# Allegro board WARP7_CPU_REV10_20151109_1600.brd
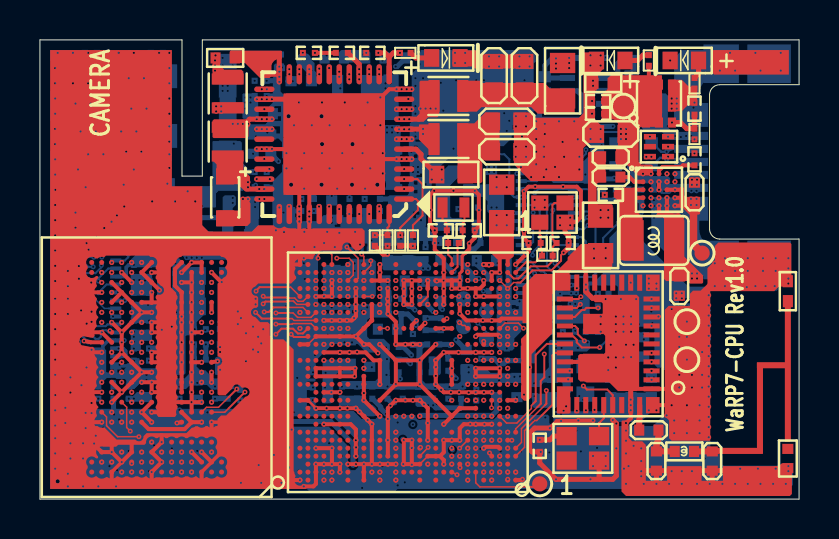
[diagram p0: board, top side]
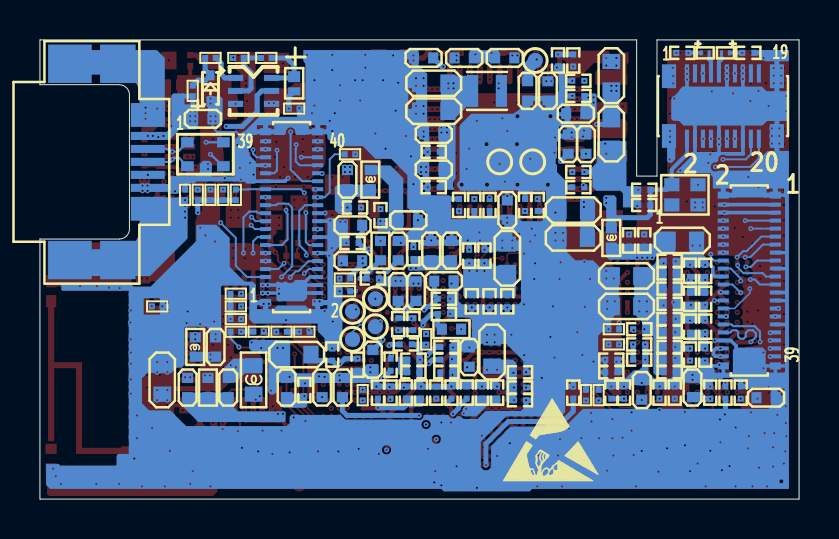
[diagram p1: board, bottom side, seen from below]

Outline 38 x 23 mm; copper layers: TOP, ART02, GND03, ART04, GND05, POWER06, POWER07, GND08, ART09, BOTTOM. Coordinates in mm from the lower left corner of the outline.
Outline path: 0,23 0,0 38,0 38,13.03 34.03,13.03 arc(33.67,13.17) 33.52,13.53 33.52,20.25 arc(33.67,20.61) 34.03,20.76 38,20.76 38,23 8.13,23 8.13,16.18 7.11,16.18 7.11,23 0,23

## Design rules (mm)
net group /MISC: nets BC3770_INT_B BC3770_SHDN_B BOOT_MODE0 BOOT_MODE1 CHARGE_EN_B CSI_PWDN_B LCD_BK_CTL LICELL MX7_ONOFF N16808656 N16981434 N16981445 N17546897 NOBAT NTAG_FD_INT OVRPRTC PMIC_INT_B PMIC_ON_REQ PMIC_PWRON PMIC_SD_VSEL PMIC_STBY_REQ PMIC_VCOREREF POR_B PWR_LED PWR_OV_BASE PWR_OV_CTL RTC_XTALI RTC_XTALO SENSOR_INT_B SWBSTLX TOUCH_INT_B UART1_RXD UART1_TXD UART2_RXD UART2_TXD USB_OTG1_ID USER_PB1 VCOREDIG VHALF VSNVS XTALI XTALO
net group /NET: nets N16715546 N16717276 N16729332 N16730613 N16732259 N16799029 N16801468 N16807462 N16808190 N16808674 N16918268 N16918272 N16918287 N16918299 N16978244 N17032843 N17048427 N17054578 N17054581 N17197487 N17208031 N18265392 N18703906 N175447380 N175447470 N175447560 N183832490
net group /PWR: nets DDR_VREF GND GND_SR_PVSS N17049476 NVCC_3V15 NVCC_DRAM NVCC_SD2 PGND PMIC_5V0 PMIC_PWR PMIC_VCORE PSU_5V0 PVCC_ENET_CAP PVCC_I2C_SPI_UART_CAP SW1A_1V15 SW1ALX SW1B_1V15 SW1BLX SW2_1V8 SW2LX SW3_1V2 SW3LX USB_OTG_VBUS VBAT VDD_1P2_CAP VDD_ARM_IN VDD_OTG1_1P0_CAP VDD_SNVS_1P8_CAP VDD_SOC_IN VDDA_1P0_CAP VDDA_PHY_1P8 VDDD_1P0_CAP VLDO1_1V8 VLDO2_1V2 VLDO3_1V8 VLDO4_1V8
net group AUDIO_DATA_BUS: nets AUDIO_SAI1_MCLK AUDIO_SAI1_RXD AUDIO_SAI1_TXC AUDIO_SAI1_TXD AUDIO_SAI1_TXFS
net group BT: nets BT_HOST_WAKE BT_REG_ON PCM_CLK PCM_IN PCM_OUT PCM_SYNC SD1_CLK SD1_CMD SD1_DATA0 SD1_DATA1 SD1_DATA2 SD1_DATA3 UART3_CTS_B UART3_RTS_B UART3_RXD UART3_TXD WL_HOST_WAKE WL_REG_ON
net group DIFF90_BUS: nets USB_OTG1_DN USB_OTG1_DP USB_OTG_N USB_OTG_P
net group I2C_BUS: nets I2C1_SCL I2C1_SDA I2C2_SCL I2C2_SDA I2C3_SCL I2C3_SDA I2C4_SCL I2C4_SDA
net group JTAG_BUS: nets JTAG_MOD JTAG_TCK JTAG_TDI JTAG_TDO JTAG_TMS JTAG_TRST_B
net group MKBUS: nets MKBUS_ESPI3_MISO MKBUS_ESPI3_MOSI MKBUS_ESPI3_SCLK MKBUS_ESPI3_SS0_B MKBUS_INT MKBUS_PWM2 MKBUS_RST MKBUS_UART5_RXD MKBUS_UART5_TXD
net group REF_BUS: nets N17502336 N17502347 N18359197

## Placement (name value [footprint] x y rotation side)
ANT1  SRCW004  [ANT2-0402]  37.44 10.41 90 top
C1  100nF  [C0201]  32.77 19.56 270 top
C2  4.7uF  [C0402]  29.84 19.05 180 bottom
C3  100nF  [C0201]  27.94 19.3 180 top
C4  1uF  [C0201]  27.94 19.94 180 top
C5  22uF  [C0603]  28.57 18.29 180 top
C7  2.2uF  [C0402]  28.57 17.14 180 top
C8  2.2uF  [C0402]  28.57 16.13 180 top
C9  1uF  [C0201]  32.77 17.02 90 top
C10  22nF  [C0201]  28.57 15.24 0 top
C11  10uF  [C0402]  32 10.67 270 top
C12  4.7uF  [C0402]  32.77 15.37 90 top
C13  1uF  [C0201]  16.64 22.35 180 top
C14  2.2uF  [C0402]  18.8 22.1 0 bottom
C15  1uF  [C0201]  15.11 22.35 180 top
C16  100nF  [C0201]  11.3 21.97 90 bottom
C17  4.7uF  [C0402]  16.76 22.1 180 bottom
C18  2.2uF  [C0402]  14.73 22.1 0 bottom
C19  4.7uF  [C0402]  12.57 20.45 270 bottom
C20  100nF  [C0201]  12.06 21.97 270 bottom
C21  1uF  [C0201]  11.05 20.95 0 bottom
C22  220nF  [C0201]  11.05 15.62 0 bottom
C23  470nF  [C0201]  11.05 16.38 180 bottom
C24  22uF  [C0603]  9.4 18.29 270 bottom
C25  22uF  [C0603]  9.4 21.21 90 bottom
C26  100nF  [C0201]  18.29 15.62 0 bottom
C27  4.7uF  [C0402]  18.29 18.29 0 bottom
C28  4.7uF  [C0402]  11.18 19.3 0 bottom
C29  100nF  [C0201]  11.05 20.19 0 bottom
C30  100nF  [C0201]  18.29 17.4 0 bottom
C31  4.7uF  [C0402]  18.29 16.51 0 bottom
C32  2.2uF  [C0402]  11.56 17.78 90 bottom
C33  4.7uF  [C0402]  10.67 17.78 90 bottom
C34  10uF  [C0402]  14.61 14.48 270 bottom
C35  100nF  [C0201]  13.46 22.35 0 top
C36  4.7uF  [C0402]  13.59 20.45 270 bottom
C37  22uF  [C0603]  11.3 13.08 0 bottom
C38  22uF  [C0603]  11.3 14.48 0 bottom
C39  22uF  [C0603]  23.37 18.92 0 top
C40  22uF  [C0603]  23.37 17.4 0 top
C41  22uF  [C0603]  24.26 21.21 90 top
C42  22uF  [C0603]  22.73 21.21 90 top
C43  1uF  [C0201]  13.08 14.73 270 bottom
C44  1uF  [C0201]  15.49 14.73 270 bottom
C45  220nF  [C0201]  16.26 14.73 270 bottom
C46  1uF  [C0201]  13.72 14.73 90 bottom
C47  22uF  [C0603]  18.29 20.83 0 bottom
C48  22uF  [C0603]  18.29 19.43 0 bottom
C49  100nF  [C0201]  17.02 14.73 90 bottom
C50  220nF  [C0201]  13.97 6.35 180 bottom
C51  220nF  [C0201]  13.97 5.59 180 bottom
C52  220nF  [C0201]  13.97 4.95 180 bottom
C53  22uF  [C0603]  15.37 7.37 90 bottom
C54  220nF  [C0201]  19.3 12.32 90 bottom
C55  220nF  [C0201]  16.64 5.33 90 bottom
C56  2.2uF  [C0402]  17.4 12.45 90 bottom
C57  2.2uF  [C0402]  18.41 12.45 90 bottom
C58  220nF  [C0201]  17.78 10.03 180 bottom
C59  220nF  [C0201]  17.4 5.33 90 bottom
C60  2.2uF  [C0402]  17.78 10.92 180 bottom
C61  220nF  [C0201]  23.37 7.24 90 bottom
C62  220nF  [C0201]  20.45 5.33 90 bottom
C63  220nF  [C0201]  17.65 6.35 180 bottom
C64  220nF  [C0201]  17.65 7.62 180 bottom
C65  22uF  [C0603]  25.15 7.24 0 bottom
C66  220nF  [C0201]  22.35 12.83 0 bottom
C67  2.2uF  [C0402]  22.35 13.72 0 bottom
C68  220nF  [C0201]  22.1 6.73 270 bottom
C69  220nF  [C0201]  18.16 5.33 90 bottom
C70  2.2uF  [C0402]  20.07 10.41 90 bottom
C71  220nF  [C0201]  22.23 14.61 180 bottom
C72  2.2uF  [C0402]  22.61 16 90 bottom
C73  220nF  [C0201]  11.3 5.33 90 bottom
C74  220nF  [C0201]  19.68 7.75 180 bottom
C75  220nF  [C0201]  17.78 9.27 180 bottom
C76  2.2uF  [C0402]  20.07 12.45 90 bottom
C77  220nF  [C0201]  21.34 11.05 180 bottom
C78  2.2uF  [C0402]  22.35 11.94 180 bottom
C79  220nF  [C0201]  20.07 8.76 90 bottom
C80  220nF  [C0201]  19.3 8.76 90 bottom
C81  2.2uF  [C0402]  19.18 10.41 90 bottom
C82  220nF  [C0201]  18.92 5.33 90 bottom
C83  20pF  [C0201]  20.07 13.46 180 top
C84  20pF  [C0201]  21.46 13.46 0 top
C85  220nF  [C0201]  19.68 5.33 90 bottom
C86  220nF  [C0201]  20.45 6.73 90 bottom
C87  10pF  [C0201]  24.77 12.83 180 top
C88  10pF  [C0201]  26.16 12.83 0 top
C89  220nF  [C0201]  19.3 6.35 180 bottom
C90  2.2uF  [C0402]  22.86 5.59 90 bottom
C91  220nF  [C0201]  15.88 5.33 90 bottom
C92  220nF  [C0201]  15.11 5.33 90 bottom
C93  2.2uF  [C0402]  23.88 5.59 90 bottom
C94  2.2uF  [C0402]  16.51 7.11 90 bottom
C95  220nF  [C0201]  19.3 6.99 180 bottom
C96  220nF  [C0201]  24.77 5.46 90 bottom
C97  2.2uF  [C0402]  25.65 5.59 90 bottom
C98  10uF  [C0603]  31.88 5.97 90 bottom
C99  220nF  [C0201]  21.08 5.33 90 bottom
C102  2.2uF  [C0402]  21.34 6.99 270 bottom
C103  220nF  [C0201]  20.95 14.22 90 bottom
C104  2.2uF  [C0402]  19.56 13.97 180 bottom
C105  2.2uF  [C0402]  1.65 5.08 180 bottom
C106  220nF  [C0201]  14.61 9.91 270 bottom
C107  220nF  [C0201]  9.4 6.99 0 bottom
C108  220nF  [C0201]  9.4 6.35 0 bottom
C109  100nF  [C0201]  17.65 6.99 180 bottom
C110  220nF  [C0201]  15.75 12.19 90 bottom
C111  220nF  [C0201]  15.49 9.91 270 bottom
C112  220nF  [C0201]  16.51 12.19 90 bottom
C113  220nF  [C0201]  16.38 9.91 270 bottom
C114  22uF  [C0603]  14.61 12.06 90 bottom
C115  220nF  [C0201]  9.4 5.33 90 bottom
C116  220nF  [C0201]  8.76 5.33 90 bottom
C117  220nF  [C0201]  8.51 12.95 90 bottom
C118  220nF  [C0201]  7.75 12.95 90 bottom
C119  22uF  [C0603]  5.84 12.95 180 bottom
C120  2.2uF  [C0402]  5.33 5.59 90 bottom
C121  220nF  [C0201]  4.45 5.33 90 bottom
C122  2.2uF  [C0402]  7.87 5.46 90 bottom
C123  220nF  [C0201]  2.92 5.33 90 bottom
C124  220nF  [C0201]  6.48 11.3 180 bottom
C125  220nF  [C0201]  6.48 11.94 180 bottom
C126  220nF  [C0201]  4.7 8.64 90 bottom
C127  220nF  [C0201]  6.48 9.78 180 bottom
C128  220nF  [C0201]  5.46 8.64 90 bottom
C129  220nF  [C0201]  8 8.51 0 bottom
C130  220nF  [C0201]  5.46 7.24 90 bottom
C131  220nF  [C0201]  6.22 5.33 90 bottom
C132  220nF  [C0201]  6.48 8.38 180 bottom
C133  220nF  [C0201]  3.68 5.33 270 bottom
C134  220nF  [C0201]  4.7 10.03 270 bottom
C135  22uF  [C0603]  8.64 11.18 0 bottom
C136  220nF  [C0201]  5.46 10.03 270 bottom
C137  220nF  [C0201]  6.48 9.02 180 bottom
C138  220nF  [C0201]  6.48 6.35 180 bottom
C139  220nF  [C0201]  4.7 11.43 90 bottom
C140  220nF  [C0201]  6.99 5.33 90 bottom
C141  220nF  [C0201]  6.48 10.54 180 bottom
C142  220nF  [C0201]  6.48 6.98 180 bottom
C143  220nF  [C0201]  8 7.75 180 bottom
C144  220nF  [C0201]  4.7 7.24 270 bottom
C145  22uF  [C0603]  8.64 9.65 0 bottom
C146  10nF  [C0201]  5.46 11.43 90 bottom
C147  220nF  [C0201]  6.48 7.62 180 bottom
C148  220nF  [C0201]  8 6.99 180 bottom
C149  2.2uF  [C0402]  29.21 7.62 90 bottom
C150  4.7uF  [C0402]  28.57 5.59 270 bottom
C151  4.7uF  [C0402]  30.61 5.59 270 bottom
C152  10pF  [C0402]  30.48 3.45 0 top
C153  10nF  [C0201]  25.02 2.67 270 top
C154  TBD  [C0402]  30.86 1.91 270 top
C155  TBD  [C0402]  33.66 1.91 270 top
C156  100nF  [C0201]  7.75 14.73 0 bottom
C157  100nF  [C0201]  7.75 15.49 0 bottom
C158  100nF  [C0201]  5.84 22.35 0 bottom
C159  100nF  [C0201]  2.54 22.35 180 bottom
D1  MM5Z5V1ST1G  [SOD523]  29.46 20.57 0 bottom
D2  NSR05F40NXT5G  [SOD0402]  25.27 20.83 90 bottom
D3  GRN  [LED0603]  28.57 21.97 180 top
D4  RED  [LED0603]  32.26 21.97 180 top
D5  TPD4S012DRYR  [DFN6_0PCQ]  30.99 17.65 180 top
D6  GRN  [LED0603]  20.32 22.1 0 top
D7  SD0805S020S1R0  [SOD0805]  9.27 15.11 270 top
D8  PMEG1201AESF  [SOD962]  4.7 22.35 0 bottom
D9  PMEG1201AESF  [SOD962]  3.68 22.35 180 bottom
J1  CONN_USB_OTG  [USBS5_6PF]  35.77 16.89 270 bottom
J2  CONN_B2B1  [FPC2X20_4P4]  2.49 10.95 270 bottom
J3  CONN_B2B2  [FPC2X20_4P4]  25.4 14.12 90 bottom
J6  CONN_CSI  [FPC2X10_4P4]  3.81 19.68 180 bottom
L1  WCM-2012-900T  [CKS4B14X20W]  29.72 17.27 180 bottom
L2  1uH  [L1008]  30.73 12.95 0 top
L3  1.5uH  [L20X16]  20.45 18.03 180 top
L4  1.5uH  [L20X16]  9.4 20.32 90 top
L5  1.5uH  [L20X16]  20.45 20.19 180 top
L6  2.2uH  [L20X16]  9.4 17.91 90 top
L7  1.5uH  [L20X16]  15.62 20.45 180 bottom
L8  120 OHM@100MHZ  [L0402]  21.46 16 270 bottom
L9  120 OHM@100MHZ  [L0402]  9.4 13.08 270 bottom
L10  2.2uH  [L0603]  27.3 5.97 270 bottom
L11  120 OHM@100MHZ  [L0402]  30.23 7.62 90 bottom
L12  TBD  [L0402]  32.26 2.39 0 top
NOREF  -  []  0 0 0 top
NOREF#2  -  []  32.49 -61 0 top
NOREF#3  -  []  50.98 -43.61 90 top
NOREF#4  -  []  48.98 -41.61 0 top
NOREF#5  -  []  0 0 90 top
NOREF#6  -  []  173.33 -175.17 0 top
NOREF#7  -  []  0 0 90 top
NOREF#8  -  []  0 0 0 top
Q1  FDMA530PZ  [DFN6_2FN]  30.99 19.81 0 top
Q2  HBDM60V600W-7  [SOT363_6]  27.3 20.45 270 bottom
R1  2K2  [R0201]  30.35 20.45 270 bottom
R2  1K  [R0201]  30.48 21.97 270 top
R3  100K  [R0201]  32.77 18.29 270 top
R4  10K  [R0201]  29.46 22.1 180 bottom
R5  4K7  [R0201]  25.27 19.56 0 bottom
R6  1K  [R0201]  32.77 20.83 90 top
R7  10K  [R0201]  26.67 22.1 0 bottom
R8  2K2  [R0201]  28.07 22.1 180 bottom
R9  0R  [R0805]  28.07 13.21 90 top
R10  1K  [R0201]  18.29 22.35 180 top
R11  2K2  [R0201]  29.46 15.24 270 bottom
R12  2K2  [R0201]  28.83 15.24 270 bottom
R13  200K  [R0201]  30.1 15.24 270 bottom
R14  0R  [R0201]  30.73 15.24 270 bottom
R15  0R  [R0402]  9.27 22.1 0 top
R16  0R  [R0603]  20.57 16.26 0 top
R17  100K  [R0201]  18.03 12.95 270 top
R18  100K  [R0201]  18.67 12.95 270 top
R19  100K  [R0201]  16.76 12.95 270 top
R20  0R  [R0201]  17.4 12.95 90 top
R21  0R  [R0805]  26.16 20.95 90 top
R22  0R  [R0805]  23.11 14.86 270 top
R23  0R  [R0402]  17.4 8.51 0 bottom
R24  0R  [R0402]  20.95 12.45 270 bottom
R26  1M  [R0201]  20.7 12.83 180 top
R27  4.75M  [R0201]  25.4 12.19 180 top
R28  2K2  [R0201]  28.19 15.24 270 bottom
R29  2K2  [R0201]  22.48 17.27 180 bottom
R30  2K2  [R0201]  24.77 8.38 0 bottom
R31  2K2  [R0201]  25.91 8.38 180 bottom
R32  200R  [R0201]  32.13 9.65 180 bottom
R33  100K  [R0201]  22.73 10.41 180 bottom
R34  100K  [R0201]  22.73 11.05 0 bottom
R35  240R  [R0201]  10.03 5.21 270 bottom
R36  240R  [R0201]  10.67 5.21 270 bottom
R37  10K  [R0201]  9.27 8.51 0 bottom
R38  10K  [R0201]  9.27 7.75 180 bottom
R39  10K  [R0201]  21.84 5.21 270 bottom
R40  240R  [R0201]  18.67 8 90 bottom
R41  0R  [R0402]  29.59 5.59 90 bottom
R42  100K  [R0201]  28.19 9.02 0 bottom
R43  100K  [R0201]  27.05 8.38 0 bottom
R44  100K  [R0201]  28.19 10.29 0 bottom
R45  100K  [R0201]  28.19 8.38 180 bottom
R46  100K  [R0201]  28.19 9.65 0 bottom
R47  0R  [R0402]  37.44 2.03 90 top
TP1  tp30  [TP30]  25.02 0.76 0 top
TP2  TPAD_030  [TP30]  22.35 8 180 bottom
TP3  TPAD_030  [TP30]  21.21 8.64 180 bottom
TP4  TPAD_030  [TP30]  22.35 9.4 180 bottom
TP5  TPAD_030  [TP30]  21.21 10.03 180 bottom
TP6  tp30  [TP30]  29.21 19.68 0 top
TP7  tp30  [TP30]  13.21 21.97 180 bottom
TP8  tp30  [TP30]  32.38 8.89 0 top
TP9  tp30  [TP30]  32.38 6.99 0 top
TP10  tp30  [TP30]  14.99 16.89 180 bottom
TP11  tp30  [TP30]  13.34 16.89 180 bottom
TP12  tp30  [TP30]  33.15 12.32 0 top
TVS1  B72590D0050H160  [D0402]  28.19 20.83 0 top
U1  MC32BC3770CSR2  [BGA25P4]  30.99 15.49 0 top
U2  PC32PF3000A2EP  [QFN48_1P5B]  14.73 17.78 180 top
U3  MCIMX7S3DVK08SA  [BGA488P4]  18.41 6.35 180 top
U4  08EMCP04-EL3AV100-C30U  [BGA221P5]  5.84 6.6 180 top
U5  LBEE5KL1DX-TEMP  [QFN38_8PUH]  28.45 7.77 180 top
X1  32.768KHz  [X4S25X20]  27.18 2.54 0 top
X2  24MHz  [X4S20X16]  5.71 15.24 180 bottom
Y1  32.768KHz  [X2S16X10]  20.7 14.61 180 top
Y2  24MHz  [X4S16X12]  25.65 14.35 0 top

## Library data of the parts
ANT1 = SRCW004
C1-C5 C7-C99 C102-C159 = CAP NP
D1 = ZDIODE
D2 D7 = DIODE_SCHTKY_0
D3 D4 D6 = LED
D5 = TPD4S012DRYR_2
D8 = DIODE_SCHTKY_2
D9 = DIODE_SCHTKY_1
J1 = USB_MICRO_1
J2 J3 = 2X20PTS TSM-DV SAMTEC_20
J6 = 2X20PTS TSM-DV SAMTEC_3
L1 = CHOKE_COM
L2 L10 L12 = INDUCTOR
L3-L7 = PINDUCTOR
L8 L9 L11 = IND: signal model: DEFAULT_INDUCTOR_22000nH_2_1
Q1 = FDMS6681Z_1
Q2 = BC847BPN_0
R1-R24 R26-R34 R41-R47 = RES
R35 R36 R40 = RES: signal model: RES_R0201__240R_240R
R37-R39 = RES: signal model: RES_R0201__10K_10K
TP1 TP6-TP12 = TESTLOOP
TP2-TP5 = TestLoop
TVS1 = DIODE_TVS_BIDIR
U1 = MC32BC3770CS_7
U2 = PC32PF3000A1EP_8
U3 = MCIMX7S3DVK08SA
U4 = MT29PZZZ4D4BKESK _10
U5 = LBEE5KL1DX_7
X1 X2 = SG615/SM_2
Y1 = CRYSTAL_4
Y2 = CRYSTAL13

## Footprints (pads in the part's own frame, mm; a bottom-side part is the same pattern mirrored in y, then rotated)
ANT2-0402
  rect 0.61x0.508 smd: 1(-0.5,0) 2(0.5,0)
BGA25P4
  round 0.254 smd: A1(-0.8,0.8) A2(-0.4,0.8) A3(0,0.8) A4(0.4,0.8) A5(0.8,0.8) B1(-0.8,0.4) B2(-0.4,0.4) B3(0,0.4) B4(0.4,0.4) B5(0.8,0.4) C1(-0.8,0) C2(-0.4,0) C3(0,0) C4(0.4,0) C5(0.8,0) D1(-0.8,-0.4) D2(-0.4,-0.4) D3(0,-0.4) D4(0.4,-0.4) D5(0.8,-0.4) E1(-0.8,-0.8) E2(-0.4,-0.8) E3(0,-0.8) E4(0.4,-0.8) E5(0.8,-0.8)
BGA221P5
  round 0.254 smd: A1(-3.25,5.25) A2(-2.75,5.25) A3(-2.25,5.25) A4(-1.75,5.25) A5(-1.25,5.25) A6(-0.75,5.25) A7(-0.25,5.25) A8(0.25,5.25) A9(0.75,5.25) A10(1.25,5.25) A11(1.75,5.25) A12(2.25,5.25) A13(2.75,5.25) A14(3.25,5.25) AA1(-3.25,-4.75) AA2(-2.75,-4.75) AA3(-2.25,-4.75) AA4(-1.75,-4.75) AA5(-1.25,-4.75) AA8(0.25,-4.75) AA9(0.75,-4.75) AA10(1.25,-4.75) AA11(1.75,-4.75) AA12(2.25,-4.75) AA13(2.75,-4.75) AA14(3.25,-4.75) AB1(-3.25,-5.25) AB2(-2.75,-5.25) AB3(-2.25,-5.25) AB4(-1.75,-5.25) AB5(-1.25,-5.25) AB8(0.25,-5.25) AB9(0.75,-5.25) AB10(1.25,-5.25) AB11(1.75,-5.25) AB12(2.25,-5.25) AB13(2.75,-5.25) AB14(3.25,-5.25) B1(-3.25,4.75) B2(-2.75,4.75) B3(-2.25,4.75) B4(-1.75,4.75) B5(-1.25,4.75) B6(-0.75,4.75) B7(-0.25,4.75) B8(0.25,4.75) B9(0.75,4.75) B10(1.25,4.75) B11(1.75,4.75) B12(2.25,4.75) B13(2.75,4.75) B14(3.25,4.75) C2(-2.75,4.25) C3(-2.25,4.25) C4(-1.75,4.25) C5(-1.25,4.25) C6(-0.75,4.25) C7(-0.25,4.25) C8(0.25,4.25) C9(0.75,4.25) C10(1.25,4.25) C11(1.75,4.25) C12(2.25,4.25) C13(2.75,4.25) D2(-2.75,3.75) D3(-2.25,3.75) D4(-1.75,3.75) D5(-1.25,3.75) D6(-0.75,3.75) D7(-0.25,3.75) D8(0.25,3.75) F2(-2.75,2.75) F3(-2.25,2.75) F4(-1.75,2.75) F5(-1.25,2.75) F8(0.25,2.75) F9(0.75,2.75) F10(1.25,2.75) F11(1.75,2.75) F12(2.25,2.75) F13(2.75,2.75) G2(-2.75,2.25) G3(-2.25,2.25) G4(-1.75,2.25) G5(-1.25,2.25) G8(0.25,2.25) G9(0.75,2.25) G10(1.25,2.25) G11(1.75,2.25) G12(2.25,2.25) G13(2.75,2.25) H2(-2.75,1.75) H3(-2.25,1.75) H4(-1.75,1.75) H5(-1.25,1.75) H8(0.25,1.75) H9(0.75,1.75) H10(1.25,1.75) H11(1.75,1.75) H12(2.25,1.75) H13(2.75,1.75) J2(-2.75,1.25) J3(-2.25,1.25) J4(-1.75,1.25) J5(-1.25,1.25) J8(0.25,1.25) J9(0.75,1.25) J10(1.25,1.25) J11(1.75,1.25) J12(2.25,1.25) J13(2.75,1.25) K2(-2.75,0.75) K3(-2.25,0.75) K4(-1.75,0.75) K5(-1.25,0.75) K8(0.25,0.75) K9(0.75,0.75) K10(1.25,0.75) K11(1.75,0.75) K12(2.25,0.75) K13(2.75,0.75) L2(-2.75,0.25) L3(-2.25,0.25) L4(-1.75,0.25) L5(-1.25,0.25) L8(0.25,0.25) L9(0.75,0.25) L10(1.25,0.25) L11(1.75,0.25) L12(2.25,0.25) L13(2.75,0.25) M2(-2.75,-0.25) M3(-2.25,-0.25) M4(-1.75,-0.25) M5(-1.25,-0.25) M8(0.25,-0.25) M9(0.75,-0.25) M10(1.25,-0.25) M11(1.75,-0.25) M12(2.25,-0.25) M13(2.75,-0.25) N2(-2.75,-0.75) N3(-2.25,-0.75) N4(-1.75,-0.75) N5(-1.25,-0.75) N8(0.25,-0.75) N9(0.75,-0.75) N10(1.25,-0.75) N11(1.75,-0.75) N12(2.25,-0.75) N13(2.75,-0.75) P2(-2.75,-1.25) P3(-2.25,-1.25) P4(-1.75,-1.25) P5(-1.25,-1.25) P8(0.25,-1.25) P9(0.75,-1.25) P10(1.25,-1.25) P11(1.75,-1.25) P12(2.25,-1.25) P13(2.75,-1.25) R2(-2.75,-1.75) R3(-2.25,-1.75) R4(-1.75,-1.75) R5(-1.25,-1.75) R8(0.25,-1.75) R9(0.75,-1.75) R10(1.25,-1.75) R11(1.75,-1.75) R12(2.25,-1.75) R13(2.75,-1.75) T2(-2.75,-2.25) T3(-2.25,-2.25) T4(-1.75,-2.25) T5(-1.25,-2.25) T8(0.25,-2.25) T9(0.75,-2.25) T10(1.25,-2.25) T11(1.75,-2.25) T12(2.25,-2.25) T13(2.75,-2.25) U2(-2.75,-2.75) U3(-2.25,-2.75) U4(-1.75,-2.75) U5(-1.25,-2.75) U8(0.25,-2.75) U9(0.75,-2.75) U10(1.25,-2.75) U11(1.75,-2.75) U12(2.25,-2.75) U13(2.75,-2.75) V2(-2.75,-3.25) V3(-2.25,-3.25) V4(-1.75,-3.25) V5(-1.25,-3.25) V8(0.25,-3.25) V9(0.75,-3.25) V10(1.25,-3.25) V11(1.75,-3.25) V12(2.25,-3.25) V13(2.75,-3.25) W2(-2.75,-3.75) W3(-2.25,-3.75) W4(-1.75,-3.75) W5(-1.25,-3.75) W8(0.25,-3.75) W9(0.75,-3.75) W10(1.25,-3.75) W11(1.75,-3.75) W12(2.25,-3.75) W13(2.75,-3.75) Y2(-2.75,-4.25) Y3(-2.25,-4.25) Y4(-1.75,-4.25) Y5(-1.25,-4.25) Y8(0.25,-4.25) Y9(0.75,-4.25) Y10(1.25,-4.25) Y11(1.75,-4.25) Y12(2.25,-4.25) Y13(2.75,-4.25)
BGA488P4
  round 0.254 smd: A1(-5.4,5.4) A2(-5,5.4) A4(-4.2,5.4) A5(-3.8,5.4) A7(-3,5.4) A9(-2.2,5.4) A11(-1.4,5.4) A13(-0.6,5.4) A16(0.6,5.4) A18(1.4,5.4) A20(2.2,5.4) A22(3,5.4) A24(3.8,5.4) A25(4.2,5.4) A27(5,5.4) A28(5.4,5.4) AA3(-4.6,-2.6) AA4(-4.2,-2.6) AA6(-3.4,-2.6) AA10(-1.8,-2.6) AA19(1.8,-2.6) AA23(3.4,-2.6) AA25(4.2,-2.6) AA26(4.6,-2.6) AB1(-5.4,-3) AB2(-5,-3) AB3(-4.6,-3) AB4(-4.2,-3) AB5(-3.8,-3) AB6(-3.4,-3) AB7(-3,-3) AB9(-2.2,-3) AB11(-1.4,-3) AB13(-0.6,-3) AB16(0.6,-3) AB18(1.4,-3) AB20(2.2,-3) AB22(3,-3) AB23(3.4,-3) AB24(3.8,-3) AB25(4.2,-3) AB26(4.6,-3) AB27(5,-3) AB28(5.4,-3) AC2(-5,-3.4) AC3(-4.6,-3.4) AC4(-4.2,-3.4) AC5(-3.8,-3.4) AC6(-3.4,-3.4) AC7(-3,-3.4) AC8(-2.6,-3.4) AC9(-2.2,-3.4) AC10(-1.8,-3.4) AC11(-1.4,-3.4) AC12(-1,-3.4) AC13(-0.6,-3.4) AC14(-0.2,-3.4) AC15(0.2,-3.4) AC16(0.6,-3.4) AC17(1,-3.4) AC18(1.4,-3.4) AC19(1.8,-3.4) AC20(2.2,-3.4) AC21(2.6,-3.4) AC22(3,-3.4) AC23(3.4,-3.4) AC24(3.8,-3.4) AC25(4.2,-3.4) AC26(4.6,-3.4) AC27(5,-3.4) AD1(-5.4,-3.8) AD2(-5,-3.8) AD3(-4.6,-3.8) AD5(-3.8,-3.8) AD6(-3.4,-3.8) AD7(-3,-3.8) AD9(-2.2,-3.8) AD11(-1.4,-3.8) AD13(-0.6,-3.8) AD16(0.6,-3.8) AD18(1.4,-3.8) AD20(2.2,-3.8) AD22(3,-3.8) AD23(3.4,-3.8) AD24(3.8,-3.8) AD26(4.6,-3.8) AD27(5,-3.8) AD28(5.4,-3.8) AE1(-5.4,-4.2) AE2(-5,-4.2) AE3(-4.6,-4.2) AE4(-4.2,-4.2) AE6(-3.4,-4.2) AE7(-3,-4.2) AE8(-2.6,-4.2) AE9(-2.2,-4.2) AE11(-1.4,-4.2) AE12(-1,-4.2) AE13(-0.6,-4.2) AE16(0.6,-4.2) AE17(1,-4.2) AE18(1.4,-4.2) AE20(2.2,-4.2) AE21(2.6,-4.2) AE22(3,-4.2) AE23(3.4,-4.2) AE25(4.2,-4.2) AE26(4.6,-4.2) AE27(5,-4.2) AE28(5.4,-4.2) AF2(-5,-4.6) AF3(-4.6,-4.6) AF4(-4.2,-4.6) AF5(-3.8,-4.6) AF6(-3.4,-4.6) AF7(-3,-4.6) AF8(-2.6,-4.6) AF9(-2.2,-4.6) AF10(-1.8,-4.6) AF11(-1.4,-4.6) AF12(-1,-4.6) AF13(-0.6,-4.6) AF14(-0.2,-4.6) AF15(0.2,-4.6) AF16(0.6,-4.6) AF17(1,-4.6) AF18(1.4,-4.6) AF19(1.8,-4.6) AF20(2.2,-4.6) AF21(2.6,-4.6) AF22(3,-4.6) AF23(3.4,-4.6) AF24(3.8,-4.6) AF25(4.2,-4.6) AF26(4.6,-4.6) AF27(5,-4.6) AG1(-5.4,-5) AG2(-5,-5) AG3(-4.6,-5) AG4(-4.2,-5) AG5(-3.8,-5) AG6(-3.4,-5) AG7(-3,-5) AG9(-2.2,-5) AG10(-1.8,-5) AG11(-1.4,-5) AG13(-0.6,-5) AG14(-0.2,-5) AG15(0.2,-5) AG16(0.6,-5) AG18(1.4,-5) AG19(1.8,-5) AG20(2.2,-5) AG22(3,-5) AG23(3.4,-5) AG24(3.8,-5) AG25(4.2,-5) AG26(4.6,-5) AG27(5,-5) AG28(5.4,-5) AH1(-5.4,-5.4) AH2(-5,-5.4) AH4(-4.2,-5.4) AH5(-3.8,-5.4) AH7(-3,-5.4) AH9(-2.2,-5.4) AH11(-1.4,-5.4) AH13(-0.6,-5.4) AH16(0.6,-5.4) AH18(1.4,-5.4) AH20(2.2,-5.4) AH22(3,-5.4) AH24(3.8,-5.4) AH25(4.2,-5.4) AH27(5,-5.4) AH28(5.4,-5.4) B1(-5.4,5) B2(-5,5) B3(-4.6,5) B4(-4.2,5) B5(-3.8,5) B6(-3.4,5) B7(-3,5) B9(-2.2,5) B10(-1.8,5) B11(-1.4,5) B13(-0.6,5) B14(-0.2,5) B15(0.2,5) B16(0.6,5) B18(1.4,5) B19(1.8,5) B20(2.2,5) B22(3,5) B23(3.4,5) B24(3.8,5) B25(4.2,5) B26(4.6,5) B27(5,5) B28(5.4,5) C2(-5,4.6) C3(-4.6,4.6) C4(-4.2,4.6) C5(-3.8,4.6) C6(-3.4,4.6) C7(-3,4.6) C8(-2.6,4.6) C9(-2.2,4.6) C10(-1.8,4.6) C11(-1.4,4.6) C12(-1,4.6) C13(-0.6,4.6) C14(-0.2,4.6) C15(0.2,4.6) C16(0.6,4.6) C17(1,4.6) C18(1.4,4.6) C19(1.8,4.6) C20(2.2,4.6) C21(2.6,4.6) C22(3,4.6) C23(3.4,4.6) C24(3.8,4.6) C25(4.2,4.6) C26(4.6,4.6) C27(5,4.6) D1(-5.4,4.2) D2(-5,4.2) D3(-4.6,4.2) D4(-4.2,4.2) D6(-3.4,4.2) D7(-3,4.2) D8(-2.6,4.2) D9(-2.2,4.2) D11(-1.4,4.2) D12(-1,4.2) D13(-0.6,4.2) D16(0.6,4.2) D17(1,4.2) D18(1.4,4.2) D20(2.2,4.2) D21(2.6,4.2) D22(3,4.2) D23(3.4,4.2) D25(4.2,4.2) D26(4.6,4.2) D27(5,4.2) D28(5.4,4.2) E1(-5.4,3.8) E2(-5,3.8) E3(-4.6,3.8) E5(-3.8,3.8) E6(-3.4,3.8) E7(-3,3.8) E9(-2.2,3.8) E11(-1.4,3.8) E13(-0.6,3.8) E16(0.6,3.8) E18(1.4,3.8) E20(2.2,3.8) E22(3,3.8) E23(3.4,3.8) E24(3.8,3.8) E26(4.6,3.8) E27(5,3.8) E28(5.4,3.8) F2(-5,3.4) F3(-4.6,3.4) F4(-4.2,3.4) F5(-3.8,3.4) F6(-3.4,3.4) F7(-3,3.4) F8(-2.6,3.4) F9(-2.2,3.4) F10(-1.8,3.4) F11(-1.4,3.4) F12(-1,3.4) F13(-0.6,3.4) F14(-0.2,3.4) F15(0.2,3.4) F16(0.6,3.4) F17(1,3.4) F18(1.4,3.4) F19(1.8,3.4) F20(2.2,3.4) F21(2.6,3.4) F22(3,3.4) F23(3.4,3.4) F24(3.8,3.4) F25(4.2,3.4) F26(4.6,3.4) F27(5,3.4) G1(-5.4,3) G2(-5,3) G3(-4.6,3) G4(-4.2,3) G5(-3.8,3) G6(-3.4,3) G7(-3,3) G9(-2.2,3) G11(-1.4,3) G13(-0.6,3) G16(0.6,3) G18(1.4,3) G20(2.2,3) G22(3,3) G23(3.4,3) G24(3.8,3) G25(4.2,3) G26(4.6,3) G27(5,3) G28(5.4,3) H3(-4.6,2.6) H4(-4.2,2.6) H6(-3.4,2.6) H10(-1.8,2.6) H19(1.8,2.6) H23(3.4,2.6) H25(4.2,2.6) H26(4.6,2.6) J1(-5.4,2.2) J2(-5,2.2) J3(-4.6,2.2) J4(-4.2,2.2) J5(-3.8,2.2) J6(-3.4,2.2) J7(-3,2.2) J9(-2.2,2.2) J11(-1.4,2.2) J13(-0.6,2.2) J14(-0.2,2.2) J15(0.2,2.2) J16(0.6,2.2) J18(1.4,2.2) J20(2.2,2.2) J22(3,2.2) J23(3.4,2.2) J24(3.8,2.2) J25(4.2,2.2) J26(4.6,2.2) J27(5,2.2) J28(5.4,2.2) K2(-5,1.8) K3(-4.6,1.8) K6(-3.4,1.8) K8(-2.6,1.8) K21(2.6,1.8) K23(3.4,1.8) K26(4.6,1.8) K27(5,1.8) L1(-5.4,1.4) L2(-5,1.4) L3(-4.6,1.4) L4(-4.2,1.4) L5(-3.8,1.4) L6(-3.4,1.4) L7(-3,1.4) L9(-2.2,1.4) L11(-1.4,1.4) L13(-0.6,1.4) L16(0.6,1.4) L18(1.4,1.4) L20(2.2,1.4) L22(3,1.4) L23(3.4,1.4) L24(3.8,1.4) L25(4.2,1.4) L26(4.6,1.4) L27(5,1.4) L28(5.4,1.4) M3(-4.6,1) M4(-4.2,1) M6(-3.4,1) M23(3.4,1) M25(4.2,1) M26(4.6,1) N1(-5.4,0.6) N2(-5,0.6) N3(-4.6,0.6) N4(-4.2,0.6) N5(-3.8,0.6) N6(-3.4,0.6) N7(-3,0.6) N9(-2.2,0.6) N11(-1.4,0.6) N13(-0.6,0.6) N16(0.6,0.6) N18(1.4,0.6) N20(2.2,0.6) N22(3,0.6) N23(3.4,0.6) N24(3.8,0.6) N25(4.2,0.6) N26(4.6,0.6) N27(5,0.6) N28(5.4,0.6) P2(-5,0.2) P3(-4.6,0.2) P6(-3.4,0.2) P9(-2.2,0.2) P20(2.2,0.2) P23(3.4,0.2) P26(4.6,0.2) P27(5,0.2) R2(-5,-0.2) R3(-4.6,-0.2) R6(-3.4,-0.2) R9(-2.2,-0.2) R20(2.2,-0.2) R23(3.4,-0.2) R26(4.6,-0.2) R27(5,-0.2) T1(-5.4,-0.6) T2(-5,-0.6) T3(-4.6,-0.6) T4(-4.2,-0.6) T5(-3.8,-0.6) T6(-3.4,-0.6) T7(-3,-0.6) T9(-2.2,-0.6) T11(-1.4,-0.6) T13(-0.6,-0.6) T16(0.6,-0.6) T18(1.4,-0.6) T20(2.2,-0.6) T22(3,-0.6) T23(3.4,-0.6) T24(3.8,-0.6) T25(4.2,-0.6) T26(4.6,-0.6) T27(5,-0.6) T28(5.4,-0.6) U3(-4.6,-1) U4(-4.2,-1) U6(-3.4,-1) U23(3.4,-1) U25(4.2,-1) U26(4.6,-1) V1(-5.4,-1.4) V2(-5,-1.4) V3(-4.6,-1.4) V4(-4.2,-1.4) V5(-3.8,-1.4) V6(-3.4,-1.4) V7(-3,-1.4) V9(-2.2,-1.4) V11(-1.4,-1.4) V13(-0.6,-1.4) V16(0.6,-1.4) V18(1.4,-1.4) V20(2.2,-1.4) V22(3,-1.4) V23(3.4,-1.4) V24(3.8,-1.4) V25(4.2,-1.4) V26(4.6,-1.4) V27(5,-1.4) V28(5.4,-1.4) W2(-5,-1.8) W3(-4.6,-1.8) W6(-3.4,-1.8) W8(-2.6,-1.8) W21(2.6,-1.8) W23(3.4,-1.8) W26(4.6,-1.8) W27(5,-1.8) Y1(-5.4,-2.2) Y2(-5,-2.2) Y3(-4.6,-2.2) Y4(-4.2,-2.2) Y5(-3.8,-2.2) Y6(-3.4,-2.2) Y7(-3,-2.2) Y9(-2.2,-2.2) Y11(-1.4,-2.2) Y13(-0.6,-2.2) Y14(-0.2,-2.2) Y15(0.2,-2.2) Y16(0.6,-2.2) Y18(1.4,-2.2) Y20(2.2,-2.2) Y22(3,-2.2) Y23(3.4,-2.2) Y24(3.8,-2.2) Y25(4.2,-2.2) Y26(4.6,-2.2) Y27(5,-2.2) Y28(5.4,-2.2)
C0201
  rect 0.305x0.305 smd: 1(-0.303,0) 2(0.303,0)
C0402
  rect 0.508x0.559 smd: 1(-0.483,0) 2(0.483,0)
C0603
  rect 0.762x0.889 smd: 1(-0.711,0) 2(0.711,0)
CKS4B14X20W
  rect 0.635x0.508 smd: 1(-0.9,0.6) 2(-0.9,-0.6) 3(0.9,-0.6) 4(0.9,0.6)
D0402
  rect 0.508x0.559 smd: 1(-0.483,0) 2(0.483,0)
DFN6_0PCQ
  rect 0.61x0.279 smd: 1(-0.455,0.5) 2(-0.455,0) 3(-0.455,-0.5) 4(0.455,-0.5) 5(0.455,0) 6(0.455,0.5)
DFN6_2FN
  rect 0.406x0.508 smd: 1(-0.65,-0.95) 2(0,-0.95) 3(0.65,-0.95) 4(0.65,0.95) 5(0,0.95) 6(-0.65,0.95)
  rect 1.016x1.016 smd: 7(-0.35,0)
  rect 0.406x0.813 smd: 8(0.65,0)
FPC2X10_4P4
  rect 0.203x0.914 smd: 1(-1.8,1.637) 2(-1.8,-1.637) 3(-1.4,1.637) 4(-1.4,-1.637) 5(-1,1.637) 6(-1,-1.637) 7(-0.6,1.637) 8(-0.6,-1.637) 9(-0.2,1.637) 10(-0.2,-1.637) 11(0.2,1.637) 12(0.2,-1.637) 13(0.6,1.637) 14(0.6,-1.637) 15(1,1.637) 16(1,-1.637) 17(1.4,1.637) 18(1.4,-1.637) 19(1.8,1.637) 20(1.8,-1.637)
  rect 0.711x1.194 smd: 21(-2.7,1.497) 22(-2.7,-1.497) 23(2.7,1.497) 24(2.7,-1.497)